# Allegro board SG2042_EVB_V2_0.brd (continued)
## Routing (per net, layer and track width the routed paths; a pad name or vN(x,y) marks a point on that pad's centre or on a via; arc(x,y) is an arc through that point) (continued)
DDR1_DQ7: length 65.1
  TOP w0.173: U1.D44 v1(131.75,246.05)
  ART03 w0.15: v1(131.75,246.05) U1.D44 132.25,244.84 132.54,244.55 135.94,244.55 136.25,244.86 136.25,247.81 136.75,248.31 136.75,251.89 159.14,274.28 160.21,274.28 160.36,274.43 160.36,275.19 160.51,275.34 160.94,275.34 161.09,275.19 161.09,274.43 161.24,274.28 161.67,274.28 161.82,274.43 161.82,275.19 161.97,275.34 162.39,275.34 162.54,275.19 162.54,274.43 162.69,274.28 163.12,274.28 163.27,274.43 163.27,275.19 163.42,275.34 163.85,275.34 164,275.19 164,274.43 164.15,274.28 164.58,274.28 164.73,274.43 164.73,275.19 164.88,275.34 165.3,275.34 165.45,275.19 165.45,274.43 165.6,274.28 166.03,274.28 166.18,274.43 166.18,274.91 166.29,275.03 167.16,275.03 arc(167.65,275.12) 168.06,275.4 168.12,275.46 arc(168.58,275.77) 169.12,275.87 J2.155
DDR1_DQ8: length 53.1
  TOP w0.173: U1.D52 v1(139.75,246.05)
  ART03 w0.15: v1(139.75,246.05) 138.98,246.82 138.98,252.77 159.54,273.33 160.91,273.33 161.06,273.18 161.06,272.54 161.2,272.39 161.63,272.39 161.78,272.54 161.78,273.18 161.93,273.33 162.36,273.33 162.51,273.18 162.51,272.54 162.66,272.39 163.09,272.39 163.24,272.54 163.24,273.18 163.39,273.33 163.82,273.33 163.97,273.18 163.97,272.54 164.12,272.39 164.54,272.39 164.69,272.54 164.69,273.18 164.84,273.33 165.27,273.33 165.42,273.18 165.42,272.54 165.57,272.39 166,272.39 166.15,272.54 166.15,273.18 166.3,273.33 167.12,273.33 arc(167.65,273.22) 168.09,272.92 168.58,272.44 arc(168.83,272.06) J2.16
DDR1_DQ9: length 50.9
  TOP w0.173: U1.B52 v1(139.75,248.05)
  ART03 w0.15: v1(139.75,248.05) 139.64,248.16 139.64,252.49 158.77,271.63 162.29,271.63 162.44,271.48 162.44,270.58 162.59,270.43 163.02,270.43 163.17,270.58 163.17,271.48 163.32,271.63 163.75,271.63 163.9,271.48 163.9,270.58 164.04,270.43 164.47,270.43 164.62,270.58 164.62,271.48 164.77,271.63 165.2,271.63 165.35,271.48 165.35,270.58 165.5,270.43 165.93,270.43 166.08,270.58 166.08,271.48 166.23,271.63 167.19,271.63 arc(167.65,271.53) 168.04,271.27 168.12,271.19 arc(168.58,270.88) 169.12,270.78 J2.161
DDR1_DQ10: length 55.1
  TOP w0.173: U1.A51 142.74,252.04 144.35,252.04 144.52,252.21 144.52,253.6 144.69,253.77 145.13,253.77 145.3,253.6 145.3,252.21 145.47,252.04 145.9,252.04 146.08,252.21 146.08,253.6 146.25,253.77 146.68,253.77 146.85,253.6 146.85,252.21 147.03,252.04 147.46,252.04 147.63,252.21 147.63,253.6 147.8,253.77 148.23,253.77 148.41,253.6 148.41,252.21 148.58,252.04 149.01,252.04 149.18,252.21 149.18,253.6 149.36,253.77 149.79,253.77 149.96,253.6 149.96,252.21 150.13,252.04 150.57,252.04 150.74,252.21 150.74,253.6 150.91,253.77 151.34,253.77 151.52,253.6 151.52,252.21 151.69,252.04 152.12,252.04 152.29,252.21 152.29,253.6 152.47,253.77 159.77,253.77 164.03,258.03 164.03,264.49 165.21,265.68 J2.23
DDR1_DQ11: length 55.7
  TOP w0.173: U1.A52 140.35,248.55 143.06,251.26 152.5,251.26 154.24,252.99 160.09,252.99 162.3,255.2 162.54,255.2 163.3,254.45 163.54,254.45 163.85,254.75 163.85,255 163.09,255.75 163.09,255.99 163.4,256.3 163.64,256.3 164.39,255.55 164.64,255.55 164.94,255.85 164.94,256.1 164.19,256.85 164.19,257.09 164.81,257.71 164.81,258.96 164.98,259.14 166.07,259.14 166.24,259.31 166.24,259.74 166.07,259.91 164.98,259.91 164.81,260.09 164.81,260.52 164.98,260.69 166.07,260.69 166.24,260.86 166.24,261.29 166.07,261.47 164.98,261.47 164.81,261.64 164.81,262.07 164.98,262.24 166.07,262.24 166.24,262.42 166.24,262.85 166.07,263.02 164.98,263.02 164.81,263.19 164.81,264.17 165.46,264.82 167.24,264.82 arc(167.65,264.91) 168.01,265.14 168.18,265.32 arc(168.58,265.58) 169.05,265.68 169.08,265.68 arc(169.55,265.58) 169.95,265.32 170.03,265.24 arc(170.48,264.93) 171.02,264.82 172.71,264.82 J2.168
DDR1_DQ12: length 63
  TOP w0.173: U1.B48 135.75,248.05 135.75,249.19 136.11,249.55 136.11,251.08 142.81,257.78 145.73,257.78 155.69,267.74 155.94,267.74 157.11,266.57 157.35,266.57 157.66,266.88 157.66,267.12 156.77,268.01 156.77,268.25 157.07,268.56 157.32,268.56 158.63,267.25 158.87,267.25 159.18,267.55 159.18,267.8 157.87,269.11 157.87,269.35 158.17,269.66 158.42,269.66 159.73,268.35 159.97,268.35 160.28,268.65 160.28,268.9 159.32,269.85 159.32,270.1 159.63,270.4 159.87,270.4 160.83,269.44 161.07,269.44 161.38,269.75 161.38,269.99 160.42,270.95 160.42,271.2 160.73,271.5 160.97,271.5 161.93,270.54 162.17,270.54 162.48,270.85 162.48,271.09 161.52,272.05 161.52,272.3 161.82,272.6 162.07,272.6 163.03,271.64 163.27,271.64 164.95,273.33 J2.14
DDR1_DQ13: length 63
  TOP w0.173: U1.B49 136.75,248.05 136.75,250.62 143.13,257 146.05,257 147.01,257.95 147.25,257.95 148.2,257 148.45,257 148.75,257.31 148.75,257.55 147.8,258.5 147.8,258.75 148.11,259.05 148.35,259.05 150.1,257.3 150.34,257.3 150.65,257.61 150.65,257.85 148.9,259.6 148.9,259.85 149.21,260.15 149.45,260.15 151.2,258.4 151.44,258.4 151.75,258.71 151.75,258.95 150,260.7 150,260.95 150.31,261.25 150.55,261.25 151.5,260.3 151.74,260.3 152.05,260.61 152.05,260.85 151.1,261.8 151.1,262.05 154.8,265.75 158.48,265.75 164.35,271.63 167.13,271.63 arc(167.65,271.73) 168.08,272.02 168.13,272.06 arc(168.58,272.37) 169.12,272.47 171.11,272.47 J2.159
DDR1_DQ14: length 59.2
  TOP w0.173: U1.C48 v1(136.75,247.05)
  ART03 w0.15: v1(136.75,247.05) 137.22,246.58 138.22,246.58 139.25,245.55 139.96,245.55 140.25,245.84 140.25,248.43 140.59,248.77 140.59,252.1 155.87,267.38 157.58,267.38 157.73,267.52 157.73,268.63 157.88,268.78 158.31,268.78 158.46,268.63 158.46,267.52 158.61,267.38 159.04,267.38 159.19,267.52 159.19,268.63 159.34,268.78 159.77,268.78 159.92,268.63 159.92,267.52 160.07,267.38 160.49,267.38 160.64,267.52 160.64,268.63 160.79,268.78 161.22,268.78 161.37,268.63 161.37,267.52 161.52,267.38 161.95,267.38 162.1,267.52 162.1,268.63 162.25,268.78 162.68,268.78 162.83,268.63 162.83,267.52 162.98,267.38 163.41,267.38 163.56,267.52 163.56,268.63 163.71,268.78 164.13,268.78 164.28,268.63 164.28,267.52 164.43,267.38 164.86,267.38 165.01,267.52 165.01,268.63 165.16,268.78 165.59,268.78 165.74,268.63 165.74,267.52 165.89,267.38 J2.21
DDR1_DQ15: length 59
  TOP w0.173: U1.D49 v1(136.75,246.05)
  ART03 w0.15: J2.166 171.02,266.52 arc(170.48,266.63) 170.02,266.94 169.95,267.01 arc(169.55,267.28) 169.08,267.37 169.05,267.37 arc(168.58,267.28) 168.18,267.01 168.09,266.93 arc(167.65,266.63) 167.12,266.52 165.87,266.52 165.72,266.38 165.72,265.55 165.57,265.4 165.15,265.4 165,265.55 165,266.38 164.85,266.52 164.42,266.52 164.27,266.38 164.27,265.55 164.12,265.4 163.69,265.4 163.54,265.55 163.54,266.38 163.39,266.52 162.96,266.52 162.81,266.38 162.81,265.55 162.66,265.4 162.24,265.4 162.09,265.55 162.09,266.38 161.94,266.52 161.51,266.52 161.36,266.38 161.36,265.55 161.21,265.4 160.78,265.4 160.63,265.55 160.63,266.38 160.48,266.52 155.95,266.52 141.25,251.82 141.25,244.83 140.97,244.55 137.46,244.55 137.25,244.76 U1.D49 v1(136.75,246.05)
DDR1_DQ16: length 53.5
  TOP w0.173: U1.E47 v1(134.75,245.05)
  ART12 w0.135: J2.27 165.48,262.28 162.09,258.88 162.09,258.69 162.96,257.82 162.96,257.63 162.67,257.33 162.48,257.33 161.6,258.21 161.41,258.21 161.12,257.91 161.12,257.72 161.99,256.85 161.99,256.66 161.7,256.36 161.51,256.36 160.63,257.24 160.44,257.24 160.14,256.94 160.14,256.75 161.02,255.88 161.02,255.69 160.73,255.39 160.54,255.39 159.66,256.27 159.47,256.27 159,255.79 137.59,255.79 134.25,252.46 134.25,245.55 v1(134.75,245.05)
DDR1_DQ17: length 55.1
  TOP w0.173: U1.F46 v1(133.75,244.05)
  ART12 w0.135: J2.172 171.03,261.43 arc(170.48,261.53) 170.02,261.84 169.95,261.91 arc(169.55,262.18) 169.08,262.28 169.05,262.28 arc(168.58,262.37) 168.18,262.64 168.06,262.76 arc(167.65,263.03) 167.17,263.12 165.44,263.12 163.12,260.81 162.93,260.81 162.48,261.27 162.29,261.27 161.99,260.98 161.99,260.79 162.45,260.33 162.45,260.14 158.73,256.42 137.33,256.42 133.25,252.35 133.25,244.55 v1(133.75,244.05)
DDR1_DQ18: length 56.8
  TOP w0.173: U1.H46 v1(133.75,242.05)
  ART10 w0.135: v1(133.75,242.05) 134.28,242.58 134.28,248.59 138.75,253.06 139.4,253.06 139.53,252.92 139.53,252.51 139.66,252.37 140.08,252.37 140.22,252.51 140.22,252.92 140.35,253.06 140.77,253.06 140.9,252.92 140.9,252.51 141.04,252.37 141.45,252.37 141.59,252.51 141.59,252.92 141.72,253.06 142.14,253.06 142.27,252.92 142.27,252.51 142.41,252.37 142.82,252.37 142.96,252.51 142.96,252.92 143.09,253.06 143.51,253.06 143.64,252.92 143.64,252.51 143.78,252.37 144.2,252.37 144.33,252.51 144.33,252.92 144.47,253.06 161.01,253.06 161.75,253.79 161.94,253.79 162.36,253.36 162.55,253.36 162.85,253.66 162.85,253.85 162.42,254.28 162.42,254.47 162.72,254.76 162.91,254.76 163.33,254.33 163.52,254.33 163.82,254.63 163.82,254.82 163.39,255.25 163.39,255.44 163.69,255.73 163.88,255.73 164.3,255.3 164.49,255.3 164.79,255.6 164.79,255.79 164.36,256.22 164.36,256.41 164.66,256.7 164.85,256.7 165.27,256.27 165.47,256.27 165.76,256.57 165.76,256.76 165.33,257.19 165.33,257.38 165.98,258.02 167.09,258.02 arc(167.64,257.92) 168.11,257.6 168.76,256.96 arc(168.87,256.78) 168.91,256.58 J2.34
DDR1_DQ19: length 56
  TOP w0.173: U1.G47 v1(134.75,243.05)
  ART10 w0.135: J2.179 169.13,255.47 arc(168.58,255.58) 168.12,255.89 168.1,255.91 arc(167.64,256.22) 167.1,256.32 166.41,256.32 161.83,251.74 158.61,251.74 158.47,251.88 158.47,252.21 158.34,252.35 157.92,252.35 157.79,252.21 157.79,251.88 157.65,251.74 157.23,251.74 157.1,251.88 157.1,252.21 156.97,252.35 156.55,252.35 156.41,252.21 156.41,251.88 156.28,251.74 155.86,251.74 155.73,251.88 155.73,252.21 155.59,252.35 155.18,252.35 155.04,252.21 155.04,251.88 154.91,251.74 154.49,251.74 154.36,251.88 154.36,252.21 154.22,252.35 153.81,252.35 153.67,252.21 153.67,251.88 153.54,251.74 153.12,251.74 152.99,251.88 152.99,252.21 152.85,252.35 152.43,252.35 152.3,252.21 152.3,251.88 152.17,251.74 151.75,251.74 151.61,251.88 151.61,252.21 151.48,252.35 151.06,252.35 150.93,252.21 150.93,251.88 150.79,251.74 150.38,251.74 150.24,251.88 150.24,252.21 150.11,252.35 149.69,252.35 149.56,252.21 149.56,251.88 149.42,251.74 149.01,251.74 148.87,251.88 148.87,252.21 148.74,252.35 148.32,252.35 148.18,252.21 148.18,251.88 148.05,251.74 147.63,251.74 147.5,251.88 147.5,252.21 147.36,252.35 146.95,252.35 146.81,252.21 146.81,251.88 146.68,251.74 146.26,251.74 146.13,251.88 146.13,252.21 145.99,252.35 145.58,252.35 145.44,252.21 145.44,251.88 145.31,251.74 139.3,251.74 138.27,250.72 138.08,250.72 137.78,251.01 137.59,251.01 137.3,250.72 137.3,250.53 137.59,250.23 137.59,250.04 137.3,249.75 137.11,249.75 136.81,250.04 136.62,250.04 135.27,248.69 135.27,243.57 v1(134.75,243.05)
DDR1_DQ20: length 60.9
  TOP w0.173: U1.E43 v1(130.75,245.05)
  ART10 w0.135: v1(130.75,245.05) 130.25,245.55 130.25,248.01 130.75,248.51 130.75,250.25 137.22,256.73 137.95,256.73 138.08,256.86 138.08,257.75 138.22,257.89 138.63,257.89 138.77,257.75 138.77,256.86 138.9,256.73 139.32,256.73 139.45,256.86 139.45,257.75 139.59,257.89 140,257.89 140.14,257.75 140.14,256.86 140.27,256.73 140.69,256.73 140.82,256.86 140.82,257.75 140.96,257.89 141.38,257.89 141.51,257.75 141.51,256.86 141.64,256.73 142.06,256.73 142.2,256.86 142.2,257.75 142.33,257.89 142.75,257.89 142.88,257.75 142.88,256.86 143.02,256.73 143.43,256.73 143.57,256.86 143.57,257.75 143.7,257.89 144.12,257.89 144.25,257.75 144.25,256.86 144.39,256.73 145.18,256.73 146.13,257.68 151.37,257.68 152.32,256.73 158.56,256.73 161.08,259.25 161.08,261.82 163.24,263.98 J2.25
DDR1_DQ21: length 61
  TOP w0.173: U1.E44 v1(131.75,245.05)
  ART10 w0.135: J2.170 171.03,263.13 arc(170.48,263.02) 170.02,262.71 169.95,262.64 arc(169.55,262.37) 169.08,262.28 169.05,262.28 arc(168.58,262.37) 168.18,262.64 168.03,262.78 arc(167.51,263.13) 166.89,263.26 163.63,263.26 161.71,261.34 161.71,259 158.82,256.1 151.37,256.1 151.24,256.23 151.24,256.91 151.11,257.05 150.69,257.05 150.55,256.91 150.55,256.23 150.42,256.1 150,256.1 149.87,256.23 149.87,256.91 149.73,257.05 149.32,257.05 149.18,256.91 149.18,256.23 149.05,256.1 148.63,256.1 148.5,256.23 148.5,256.91 148.36,257.05 147.95,257.05 147.81,256.91 147.81,256.23 147.68,256.1 147.26,256.1 147.13,256.23 147.13,256.91 146.99,257.05 146.57,257.05 146.44,256.91 146.44,256.23 146.31,256.1 137.49,256.1 131.76,250.37 131.76,248.58 131.25,248.07 131.25,245.55 v1(131.75,245.05)
DDR1_DQ22: length 61.5
  TOP w0.173: U1.F43 v1(130.75,244.05)
  ART12 w0.135: J2.32 166.41,258.03 161.77,253.39 151.81,253.39 151.67,253.53 151.67,254.25 151.54,254.38 151.12,254.38 150.99,254.25 150.99,253.53 150.85,253.39 150.44,253.39 150.3,253.53 150.3,254.25 150.17,254.38 149.75,254.38 149.62,254.25 149.62,253.53 149.48,253.39 149.07,253.39 148.93,253.53 148.93,254.25 148.8,254.38 148.38,254.38 148.24,254.25 148.24,253.53 148.11,253.39 147.69,253.39 147.56,253.53 147.56,254.25 147.42,254.38 147.01,254.38 146.87,254.25 146.87,253.53 146.74,253.39 146.32,253.39 146.19,253.53 146.19,254.25 146.05,254.38 145.64,254.38 145.5,254.25 145.5,253.53 145.37,253.39 144.95,253.39 144.82,253.53 144.82,254.25 144.68,254.38 144.26,254.38 144.13,254.25 144.13,253.53 144,253.39 143.58,253.39 143.44,253.53 143.44,254.25 143.31,254.38 142.89,254.38 142.76,254.25 142.76,253.53 142.62,253.39 142.21,253.39 142.07,253.53 142.07,254.25 141.94,254.38 141.52,254.38 141.39,254.25 141.39,253.53 141.25,253.39 139.57,253.39 135.25,249.08 135.25,243.84 134.96,243.55 U1.F43 v1(130.75,244.05)
DDR1_DQ23: length 63.4
  TOP w0.173: U1.H43 v1(130.75,242.05)
  ART12 w0.135: J2.177 169.13,257.18 arc(168.58,257.07) 168.12,256.76 168.02,256.66 arc(167.65,256.41) 167.22,256.32 166.38,256.32 162.82,252.76 150.35,252.76 150.21,252.63 150.21,251.85 150.08,251.71 149.66,251.71 149.53,251.85 149.53,252.63 149.39,252.76 148.98,252.76 148.84,252.63 148.84,251.85 148.71,251.71 148.29,251.71 148.16,251.85 148.16,252.63 148.02,252.76 147.6,252.76 147.47,252.63 147.47,251.85 147.33,251.71 146.92,251.71 146.78,251.85 146.78,252.63 146.65,252.76 146.23,252.76 146.1,252.63 146.1,251.85 145.96,251.71 145.55,251.71 145.41,251.85 145.41,252.63 145.28,252.76 144.86,252.76 144.73,252.63 144.73,251.85 144.59,251.71 144.17,251.71 144.04,251.85 144.04,252.63 143.91,252.76 143.49,252.76 143.35,252.63 143.35,251.85 143.22,251.71 142.8,251.71 142.67,251.85 142.67,252.63 142.53,252.76 142.12,252.76 141.98,252.63 141.98,251.85 141.85,251.71 141.43,251.71 141.3,251.85 141.3,252.63 141.16,252.76 139.83,252.76 136.75,249.68 136.75,248.26 136.25,247.76 136.25,242.83 135.97,242.55 131.25,242.55 v1(130.75,242.05)
DDR1_DQ24: length 44.3
  TOP w0.173: U1.F51 v1(139.75,244.05)
  ART12 w0.135: v1(139.75,244.05) 139.25,244.55 139.25,248.6 141.11,250.45 156.13,250.45 156.27,250.59 156.27,251.2 156.4,251.33 156.82,251.33 156.95,251.2 156.95,250.59 157.09,250.45 157.5,250.45 157.64,250.59 157.64,251.2 157.77,251.33 158.19,251.33 158.32,251.2 158.32,250.59 158.46,250.45 158.87,250.45 159.01,250.59 159.01,251.2 159.14,251.33 159.56,251.33 159.69,251.2 159.69,250.59 159.83,250.45 160.25,250.45 160.38,250.59 160.38,251.2 160.51,251.33 160.93,251.33 161.07,251.2 161.07,250.59 161.2,250.45 162.34,250.45 166.51,254.63 167.14,254.63 arc(167.65,254.53) 168.07,254.24 168.58,253.74 arc(168.83,253.36) J2.38
DDR1_DQ25: length 42.4
  TOP w0.173: U1.E52 v1(140.75,245.05)
  ART12 w0.135: v1(140.75,245.05) 140.25,245.55 140.25,248.45 141.62,249.82 156.62,249.82 156.76,249.69 156.76,249.16 156.89,249.02 157.31,249.02 157.44,249.16 157.44,249.69 157.58,249.82 157.99,249.82 158.13,249.69 158.13,249.16 158.26,249.02 158.68,249.02 158.81,249.16 158.81,249.69 158.95,249.82 159.37,249.82 159.5,249.69 159.5,249.16 159.64,249.02 160.05,249.02 160.19,249.16 160.19,249.69 160.32,249.82 160.74,249.82 160.87,249.69 160.87,249.16 161.01,249.02 161.42,249.02 161.56,249.16 161.56,249.69 161.69,249.82 162.6,249.82 165.7,252.93 167.12,252.93 arc(167.65,252.82) 168.09,252.52 168.12,252.49 arc(168.58,252.18) 169.13,252.08 J2.183
DDR1_DQ26: length 46
  TOP w0.173: U1.H51 v1(139.75,242.05)
  ART10 w0.135: v1(139.75,242.05) 140.25,242.55 140.25,245.28 140.52,245.55 146.25,245.55 146.38,245.42 146.38,244.36 146.52,244.22 146.93,244.22 147.07,244.36 147.07,245.42 147.2,245.55 147.62,245.55 147.75,245.42 147.75,244.36 147.89,244.22 148.3,244.22 148.44,244.36 148.44,245.42 148.57,245.55 148.99,245.55 149.12,245.42 149.12,244.36 149.26,244.22 149.67,244.22 149.81,244.36 149.81,245.42 149.94,245.55 150.36,245.55 150.5,245.42 150.5,244.36 150.63,244.22 151.05,244.22 151.18,244.36 151.18,245.42 151.32,245.55 151.73,245.55 151.87,245.42 151.87,244.36 152,244.22 152.42,244.22 152.55,244.36 152.55,245.42 152.69,245.55 153.1,245.55 153.24,245.42 153.24,244.36 153.37,244.22 153.79,244.22 153.92,244.36 153.92,245.42 154.06,245.55 163.72,245.55 165.14,246.98 J2.45
DDR1_DQ27: length 44.4
  TOP w0.173: U1.G52 v1(140.75,243.05)
  ART10 w0.135: J2.190 171.03,246.12 arc(170.48,246.23) 170.02,246.54 169.95,246.61 arc(169.55,246.88) 169.08,246.97 169.05,246.97 arc(168.58,246.88) 168.18,246.61 168.1,246.54 arc(167.64,246.23) 167.1,246.12 165.18,246.12 163.98,244.92 160.43,244.92 160.3,244.79 160.3,244.36 160.16,244.22 159.75,244.22 159.61,244.36 159.61,244.79 159.48,244.92 159.06,244.92 158.92,244.79 158.92,243.73 158.79,243.59 158.37,243.59 158.24,243.73 158.24,244.79 158.1,244.92 157.69,244.92 157.55,244.79 157.55,243.73 157.42,243.59 157,243.59 156.87,243.73 156.87,244.79 156.73,244.92 156.32,244.92 156.18,244.79 156.18,243.73 156.05,243.59 155.63,243.59 155.5,243.73 155.5,244.79 155.36,244.92 154.94,244.92 154.81,244.79 154.81,243.73 154.68,243.59 145.76,243.59 144.8,244.55 141.53,244.55 141.25,244.27 141.25,243.55 v1(140.75,243.05)
DDR1_DQ28: length 51.5
  TOP w0.173: U1.F48 v1(136.75,244.05)
  ART10 w0.135: v1(136.75,244.05) 136.25,244.55 136.25,247.33 139.72,250.8 154.59,250.8 154.72,250.66 154.72,249.61 154.85,249.48 155.27,249.48 155.41,249.61 155.41,250.66 155.54,250.8 155.96,250.8 156.09,250.66 156.09,249.61 156.23,249.48 156.64,249.48 156.78,249.61 156.78,250.66 156.91,250.8 157.33,250.8 157.46,250.66 157.46,249.61 157.6,249.48 158.01,249.48 158.15,249.61 158.15,250.66 158.28,250.8 158.7,250.8 158.83,250.66 158.83,249.61 158.97,249.48 159.39,249.48 159.52,249.61 159.52,250.66 159.66,250.8 160.07,250.8 160.21,250.66 160.21,249.61 160.34,249.48 160.76,249.48 160.89,249.61 160.89,250.66 161.03,250.8 162.22,250.8 166.05,254.63 J2.36
DDR1_DQ29: length 53
  TOP w0.173: U1.H48 v1(136.75,242.05)
  ART10 w0.135: J2.181 169.13,253.78 arc(168.58,253.67) 168.12,253.36 168.09,253.33 arc(167.65,253.03) 167.12,252.93 165.24,252.93 162.52,250.21 162.52,250.02 163.08,249.46 163.08,249.27 162.79,248.97 162.6,248.97 162.04,249.53 161.84,249.53 160.97,248.66 154.79,248.66 153.27,250.17 146.62,250.17 146.49,250.04 146.49,249.33 146.35,249.2 145.93,249.2 145.8,249.33 145.8,250.04 145.67,250.17 145.25,250.17 145.11,250.04 145.11,249.33 144.98,249.2 144.56,249.2 144.43,249.33 144.43,250.04 144.29,250.17 143.24,250.17 143.11,250.04 143.11,248.83 142.97,248.69 142.56,248.69 142.42,248.83 142.42,250.04 142.29,250.17 139.98,250.17 139.6,249.79 139.6,249.6 140,249.21 140,249.02 139.7,248.72 139.51,248.72 139.12,249.12 138.93,249.12 137.25,247.44 137.25,242.55 v1(136.75,242.05)
DDR1_DQ30: length 49.7
  TOP w0.173: U1.E49 v1(137.75,245.05)
  ART12 w0.135: v1(137.75,245.05) 138.25,244.55 138.25,243.84 138.54,243.55 139.97,243.55 140.25,243.83 140.25,244.29 140.51,244.55 140.97,244.55 141.25,244.83 141.25,245.27 141.65,245.67 146.51,245.67 146.64,245.8 146.64,246.78 146.78,246.91 147.19,246.91 147.33,246.78 147.33,245.8 147.46,245.67 147.88,245.67 148.01,245.8 148.01,246.78 148.15,246.91 148.56,246.91 148.7,246.78 148.7,245.8 148.83,245.67 149.25,245.67 149.38,245.8 149.38,246.78 149.52,246.91 149.93,246.91 150.07,246.78 150.07,245.8 150.2,245.67 150.62,245.67 150.76,245.8 150.76,246.78 150.89,246.91 151.31,246.91 151.44,246.78 151.44,245.8 151.58,245.67 151.99,245.67 152.13,245.8 152.13,246.78 152.26,246.91 152.68,246.91 152.81,246.78 152.81,245.8 152.95,245.67 153.36,245.67 153.5,245.8 153.5,246.78 153.63,246.91 154.05,246.91 154.18,246.78 154.18,245.8 154.32,245.67 154.74,245.67 154.87,245.8 154.87,246.78 155,246.91 155.42,246.91 155.56,246.78 155.56,245.8 155.69,245.67 156.11,245.67 156.24,245.8 156.24,246.78 156.38,246.91 164.59,246.91 166.35,248.68 J2.43
DDR1_DQ31: length 50.7
  TOP w0.173: U1.E48 v1(136.75,245.05)
  ART12 w0.135: J2.188 171.03,247.83 arc(170.48,247.93) 170.02,248.24 169.95,248.31 arc(169.55,248.58) 169.08,248.67 169.05,248.67 arc(168.58,248.58) 168.18,248.31 168.1,248.24 arc(167.64,247.93) 167.1,247.83 166.42,247.83 162.89,244.3 162.09,244.3 161.96,244.43 161.96,245.46 161.82,245.59 161.41,245.59 161.27,245.46 161.27,244.43 161.14,244.3 160.72,244.3 160.59,244.43 160.59,245.46 160.45,245.59 160.03,245.59 159.9,245.46 159.9,244.43 159.77,244.3 159.35,244.3 159.21,244.43 159.21,245.46 159.08,245.59 158.66,245.59 158.53,245.46 158.53,244.43 158.39,244.3 157.98,244.3 157.84,244.43 157.84,245.46 157.71,245.59 157.29,245.59 157.16,245.46 157.16,244.43 157.02,244.3 143,244.3 142.25,243.55 141.52,243.55 141.25,243.28 141.25,242.83 140.97,242.55 137.53,242.55 137.25,242.83 137.25,244.55 v1(136.75,245.05)
DDR1_DQ32: length 61.2
  TOP w0.173: U1.U56 145.33,233.63 149.73,233.63 157.4,225.96 157.4,211.17 158.61,209.96 158.61,209.71 157.9,209 157.9,208.76 158.21,208.45 158.45,208.45 159.16,209.16 159.41,209.16 159.71,208.86 159.71,208.61 159,207.9 159,207.66 159.31,207.35 159.55,207.35 160.26,208.06 160.51,208.06 160.81,207.76 160.81,207.51 160.1,206.8 160.1,206.56 160.41,206.25 160.65,206.25 161.36,206.96 161.61,206.96 161.91,206.66 161.91,206.41 161.2,205.7 161.2,205.46 161.51,205.15 161.75,205.15 162.46,205.86 162.71,205.86 163.01,205.56 163.01,205.32 162.3,204.6 162.3,204.36 162.61,204.05 162.85,204.05 163.56,204.77 163.81,204.77 164.11,204.46 164.11,204.22 163.4,203.5 163.4,203.26 164.56,202.1 164.56,200.43 J2.97
DDR1_DQ33: length 61.2
  TOP w0.173: U1.T56 145.11,234.41 150.05,234.41 158.18,226.28 158.18,211.49 159.32,210.35 159.56,210.35 159.89,210.68 160.13,210.68 160.44,210.37 160.44,210.13 160.11,209.8 160.11,209.56 160.42,209.25 160.66,209.25 160.99,209.58 161.23,209.58 161.54,209.28 161.54,209.03 161.21,208.7 161.21,208.46 161.52,208.15 161.76,208.15 162.09,208.48 162.33,208.48 162.64,208.18 162.64,207.93 162.31,207.6 162.31,207.36 162.62,207.05 162.86,207.05 163.19,207.38 163.43,207.38 163.74,207.08 163.74,206.83 163.41,206.51 163.41,206.26 163.72,205.96 163.96,205.96 164.29,206.28 164.53,206.28 164.84,205.98 164.84,205.73 164.51,205.41 164.51,205.16 165.33,204.34 165.33,200.75 165.86,200.22 167.21,200.22 arc(167.65,200.14) 168.03,199.89 168.18,199.73 arc(168.58,199.47) 169.05,199.38 169.08,199.38 arc(169.55,199.28) 169.95,199.02 170.08,198.88 arc(170.48,198.62) 170.95,198.52 170.98,198.52 arc(171.45,198.43) 171.85,198.17 172.56,197.46 arc(172.67,197.28) 172.71,197.08 J2.242
DDR1_DQ34: length 61.3
  TOP w0.173: U1.T55 v1(143.75,234.05)
  ART03 w0.15: v1(143.75,234.05) 141.25,231.55 141.25,229.84 141.54,229.55 143.94,229.55 144.4,229.08 145.13,229.08 145.26,229.21 150.34,229.21 154.11,225.44 154.11,205.7 166.39,193.43 167.26,193.43 arc(167.66,193.35) 167.99,193.12 168.58,192.54 arc(168.83,192.16) J2.104
DDR1_DQ35: length 65.4
  TOP w0.173: U1.T53 v1(141.75,234.05)
  ART03 w0.15: J2.249 169.12,190.88 arc(168.58,190.98) 168.12,191.29 168.04,191.38 arc(167.65,191.63) 167.2,191.73 166.41,191.73 153.45,204.69 153.45,225.17 150.07,228.55 140.54,228.55 140.25,228.84 140.25,233.27 140.53,233.55 U1.T53 v1(141.75,234.05)
DDR1_DQ36: length 64.4
  TOP w0.173: U1.W53 v1(141.75,230.05)
  ART03 w0.15: J2.95 165.36,201.33 165.36,201.54 166.07,202.25 166.07,202.46 165.77,202.76 165.56,202.76 164.85,202.05 164.64,202.05 164.33,202.36 164.33,202.57 165.04,203.28 165.04,203.49 164.74,203.79 164.53,203.79 163.82,203.08 163.61,203.08 163.3,203.39 163.3,203.6 164.01,204.31 164.01,204.52 163.71,204.82 163.5,204.82 162.79,204.11 162.58,204.11 162.27,204.41 162.27,204.63 162.98,205.33 162.98,205.55 162.68,205.85 162.47,205.85 161.76,205.14 161.55,205.14 161.25,205.44 161.25,205.66 161.95,206.36 161.95,206.58 161.65,206.88 161.44,206.88 160.73,206.17 160.52,206.17 160.22,206.47 160.22,206.68 160.92,207.39 160.92,207.6 160.62,207.91 160.41,207.91 159.7,207.2 159.49,207.2 159.19,207.5 159.19,207.71 159.9,208.42 159.9,208.63 159.59,208.94 159.38,208.94 158.67,208.23 158.46,208.23 157.76,208.93 157.76,224.08 151.01,230.82 145.68,230.82 145.44,231.06 144.36,231.06 143.85,230.55 142.25,230.55 v1(141.75,230.05)
DDR1_DQ37: length 64.5
  TOP w0.173: U1.Y54 v1(142.75,230.05)
  ART03 w0.15: v1(142.75,230.05) 145.52,230.05 145.63,230.16 150.74,230.16 157.1,223.8 157.1,207.82 160.97,203.95 160.97,203.74 160.3,203.06 160.3,202.85 160.6,202.54 160.81,202.54 161.49,203.22 161.7,203.22 162,202.92 162,202.71 161.33,202.03 161.33,201.82 161.63,201.51 161.84,201.51 162.52,202.19 162.73,202.19 163.03,201.89 163.03,201.68 162.36,201 162.36,200.79 162.66,200.49 162.87,200.49 163.55,201.16 163.76,201.16 164.06,200.86 164.06,200.65 163.38,199.97 163.38,199.76 163.69,199.46 163.9,199.46 164.58,200.13 164.79,200.13 165.09,199.83 165.09,199.62 164.41,198.94 164.41,198.73 164.72,198.43 164.93,198.43 165.61,199.1 165.82,199.1 166.4,198.52 167.18,198.52 arc(167.65,198.62) 168.05,198.88 168.18,199.01 arc(168.58,199.28) 169.05,199.38 169.08,199.38 arc(169.55,199.28) 169.95,199.01 170.02,198.94 arc(170.48,198.63) 171.02,198.53 J2.240
DDR1_DQ38: length 69.7
  TOP w0.173: U1.W55 143.73,230.07 148.26,230.07 153.84,224.48 153.84,206.11 155.04,204.91 155.04,204.67 154.09,203.71 154.09,203.47 154.39,203.16 154.64,203.16 155.59,204.12 155.83,204.12 156.14,203.81 156.14,203.57 155.19,202.61 155.19,202.37 155.49,202.06 155.73,202.06 156.69,203.02 156.93,203.02 157.24,202.71 157.24,202.47 156.28,201.52 156.28,201.27 156.59,200.97 156.83,200.97 157.79,201.92 158.03,201.92 158.34,201.61 158.34,201.37 157.38,200.42 157.38,200.17 157.69,199.87 157.93,199.87 158.89,200.82 159.13,200.82 159.44,200.51 159.44,200.27 158.48,199.32 158.48,199.07 158.79,198.77 159.03,198.77 159.99,199.72 160.23,199.72 160.54,199.41 160.54,199.17 159.58,198.22 159.58,197.97 159.89,197.67 160.13,197.67 161.09,198.62 161.33,198.62 166.53,193.43 J2.102
DDR1_DQ39: length 69.9
  TOP w0.173: J2.247 171.11,192.57 169.12,192.57 arc(168.58,192.47) 168.13,192.16 168.08,192.12 arc(167.65,191.83) 167.14,191.73 166.39,191.73 165.57,192.54 165.33,192.54 164.67,191.89 164.43,191.89 164.12,192.19 164.12,192.44 165.15,193.46 165.15,193.71 164.84,194.01 164.6,194.01 163.57,192.99 163.33,192.99 163.02,193.29 163.02,193.53 164.05,194.56 164.05,194.8 163.74,195.11 163.5,195.11 162.47,194.08 162.23,194.08 161.92,194.39 161.92,194.63 162.95,195.66 162.95,195.9 162.64,196.21 162.4,196.21 161.37,195.18 161.13,195.18 160.82,195.49 160.82,195.73 161.85,196.76 161.85,197 161.54,197.31 161.3,197.31 160.27,196.28 160.03,196.28 153.06,203.25 153.06,204.27 153.44,204.65 153.44,204.94 153.06,205.32 153.06,224.16 147.93,229.29 145.95,229.29 145.66,229 143.8,229 U1.Y55
DDR1_DQ40: length 68.4
  TOP w0.173: U1.AA56 145.83,228.55 146.12,228.25 147.51,228.25 152.03,223.73 152.03,201.36 152.71,200.68 152.95,200.68 153.39,201.12 153.64,201.12 153.94,200.82 153.94,200.57 153.5,200.13 153.5,199.89 153.81,199.58 154.05,199.58 154.49,200.02 154.74,200.02 155.04,199.72 155.04,199.47 154.6,199.03 154.6,198.79 154.91,198.48 155.15,198.48 155.59,198.92 155.84,198.92 156.14,198.62 156.14,198.38 155.7,197.93 155.7,197.69 156.01,197.38 156.25,197.38 156.69,197.83 156.94,197.83 157.24,197.52 157.24,197.28 156.8,196.83 156.8,196.59 157.11,196.29 157.35,196.29 157.79,196.73 158.04,196.73 158.34,196.42 158.34,196.18 157.9,195.74 157.9,195.49 158.2,195.19 158.45,195.19 158.89,195.63 159.13,195.63 159.44,195.32 159.44,195.08 159,194.64 159,194.39 159.3,194.09 159.55,194.09 159.99,194.53 160.23,194.53 160.54,194.22 160.54,193.98 160.1,193.54 160.1,193.29 160.4,192.99 160.65,192.99 161.09,193.43 161.33,193.43 161.64,193.12 161.64,192.88 161.2,192.44 161.2,192.19 161.5,191.89 161.75,191.89 162.19,192.33 162.43,192.33 162.74,192.02 162.74,191.78 162.3,191.34 162.3,191.09 163.37,190.03 167.03,190.03 arc(167.64,189.9) 168.16,189.56 168.58,189.14 arc(168.83,188.76) J2.108
DDR1_DQ41: length 69.9
  TOP w0.173: U1.AA55 143.74,228.06 145.55,228.06 146.13,227.48 147.18,227.48 151.25,223.41 151.25,201.04 151.97,200.32 151.97,200.08 151.36,199.47 151.36,199.23 151.66,198.92 151.91,198.92 152.52,199.53 152.76,199.53 153.07,199.22 153.07,198.98 152.46,198.37 152.46,198.13 152.76,197.82 153.01,197.82 153.62,198.43 153.86,198.43 154.17,198.13 154.17,197.88 153.56,197.27 153.56,197.03 153.86,196.72 154.11,196.72 154.72,197.33 154.96,197.33 155.27,197.03 155.27,196.78 154.66,196.17 154.66,195.93 154.96,195.62 155.21,195.62 155.81,196.23 156.06,196.23 156.36,195.93 156.36,195.68 155.76,195.07 155.76,194.83 156.06,194.52 156.3,194.52 156.91,195.13 157.16,195.13 157.46,194.83 157.46,194.58 156.85,193.97 156.85,193.73 157.16,193.42 157.4,193.42 158.01,194.03 158.26,194.03 163.97,188.32 167.16,188.32 arc(167.65,188.23) 168.06,187.95 168.13,187.89 arc(168.58,187.58) 169.12,187.48 J2.253
DDR1_DQ42: length 65.5
  TOP w0.173: U1.AD53 v1(141.75,225.05)
  ART03 w0.15: J2.115 163.88,182.38 163.2,183.06 163.2,183.27 163.68,183.76 163.68,183.97 163.38,184.27 163.16,184.27 162.68,183.79 162.47,183.79 162.17,184.09 162.17,184.3 162.65,184.79 162.65,185 162.35,185.3 162.14,185.3 161.65,184.82 161.44,184.82 161.14,185.12 161.14,185.33 161.62,185.82 161.62,186.03 161.32,186.33 161.11,186.33 160.62,185.85 160.41,185.85 160.11,186.15 160.11,186.36 160.59,186.85 160.59,187.06 160.29,187.36 160.08,187.36 159.59,186.88 159.38,186.88 159.08,187.18 159.08,187.39 159.56,187.88 159.56,188.09 159.26,188.39 159.05,188.39 158.56,187.91 158.35,187.91 148.03,198.23 148.03,220.5 144.98,223.55 142.54,223.55 142.25,223.84 142.25,224.55 v1(141.75,225.05)
DDR1_DQ43: length 68.2
  TOP w0.173: U1.AA53 v1(141.75,228.05)
  ART03 w0.15: v1(141.75,228.05) 141.25,227.55 141.25,222.83 141.53,222.55 145.04,222.55 147.37,220.22 147.37,197.96 163.8,181.52 167.21,181.52 arc(167.65,181.61) 168.03,181.86 168.18,182.01 arc(168.58,182.28) 169.05,182.38 169.08,182.38 arc(169.55,182.28) 169.95,182.01 170.02,181.94 arc(170.48,181.63) 171.02,181.53 J2.260
DDR1_DQ44: length 66.4
  TOP w0.173: U1.AB56 v1(144.68,227.55)
  ART03 w0.15: v1(144.68,227.55) 151.57,220.66 151.57,201.24 157.45,195.35 157.66,195.35 158.47,196.16 158.68,196.16 158.98,195.85 158.98,195.64 158.18,194.84 158.18,194.63 158.48,194.32 158.69,194.32 159.5,195.13 159.71,195.13 160.01,194.83 160.01,194.61 159.21,193.81 159.21,193.6 159.51,193.3 159.72,193.3 160.53,194.1 160.74,194.1 161.04,193.8 161.04,193.58 160.24,192.78 160.24,192.57 160.54,192.27 160.75,192.27 161.56,193.07 161.77,193.07 162.07,192.77 162.07,192.56 161.27,191.75 161.27,191.54 161.57,191.24 161.78,191.24 162.58,192.04 162.8,192.04 163.1,191.74 163.1,191.53 162.3,190.72 162.3,190.51 162.78,190.03 163.79,190.03 163.94,190.17 163.94,190.6 164.09,190.75 164.52,190.75 164.67,190.6 164.67,190.17 164.82,190.03 165.25,190.03 165.4,190.17 165.4,190.6 165.55,190.75 165.98,190.75 166.13,190.6 166.13,190.17 166.28,190.03 J2.106
DDR1_DQ45: length 69.6
  TOP w0.173: U1.AE54 v1(142.75,224.05)
  ART03 w0.15: J2.251 169.12,189.18 arc(168.58,189.07) 168.12,188.76 168.1,188.74 arc(167.64,188.43) 167.11,188.32 165.58,188.32 165.43,188.47 165.43,189.21 165.28,189.36 164.85,189.36 164.7,189.21 164.7,188.47 164.55,188.32 163.55,188.32 162.92,188.96 162.71,188.96 161.97,188.22 161.76,188.22 161.46,188.53 161.46,188.74 162.19,189.47 162.19,189.68 161.89,189.98 161.68,189.98 160.94,189.25 160.73,189.25 160.43,189.56 160.43,189.77 161.16,190.5 161.16,190.71 160.86,191.01 160.65,191.01 159.92,190.28 159.7,190.28 159.4,190.59 159.4,190.8 160.13,191.53 160.13,191.74 159.83,192.04 159.62,192.04 158.89,191.31 158.67,191.31 158.37,191.61 158.37,191.83 159.1,192.56 159.1,192.77 158.8,193.07 158.59,193.07 157.86,192.34 157.65,192.34 157.34,192.64 157.34,192.86 158.07,193.59 158.07,193.8 150.91,200.96 150.91,220.38 146.24,225.05 143.75,225.05 v1(142.75,224.05)
DDR1_DQ46: length 75.3
  TOP w0.173: U1.AD55 143.74,225.06 144.89,225.06 145.95,224 145.95,223.68 147.69,221.93 147.69,197.86 148.7,196.85 148.7,196.61 147.93,195.85 147.93,195.6 148.24,195.3 148.48,195.3 149.24,196.06 149.49,196.06 149.79,195.75 149.79,195.51 149.03,194.75 149.03,194.5 149.34,194.2 149.58,194.2 150.34,194.96 150.59,194.96 150.89,194.65 150.89,194.41 150.13,193.65 150.13,193.4 150.44,193.1 150.68,193.1 151.44,193.86 151.69,193.86 151.99,193.55 151.99,193.31 151.23,192.55 151.23,192.3 151.54,192 151.78,192 152.54,192.76 152.79,192.76 153.09,192.45 153.09,192.21 152.33,191.45 152.33,191.2 152.64,190.9 152.88,190.9 153.64,191.66 153.89,191.66 154.19,191.35 154.19,191.11 153.43,190.35 153.43,190.1 153.74,189.8 153.98,189.8 154.74,190.56 154.99,190.56 155.29,190.26 155.29,190.01 154.53,189.25 154.53,189.01 154.83,188.7 155.08,188.7 155.84,189.46 156.09,189.46 156.39,189.16 156.39,188.91 155.63,188.15 155.63,187.91 155.93,187.6 156.18,187.6 156.94,188.36 157.18,188.36 161.78,183.76 167,183.76 J2.113
DDR1_DQ47: length 75.4
  TOP w0.173: U1.AE55 143.78,224.02 144.89,224.02 145.31,223.6 145.31,223.21 146.91,221.61 146.91,195.52 150.47,191.97 150.47,191.72 149.68,190.93 149.68,190.68 149.98,190.38 150.23,190.38 151.02,191.17 151.26,191.17 151.57,190.87 151.57,190.62 150.78,189.83 150.78,189.58 151.08,189.28 151.33,189.28 152.12,190.07 152.36,190.07 152.67,189.77 152.67,189.52 151.88,188.73 151.88,188.48 152.18,188.18 152.43,188.18 153.22,188.97 153.46,188.97 153.77,188.67 153.77,188.42 152.98,187.63 152.98,187.39 153.28,187.08 153.52,187.08 154.32,187.87 154.56,187.87 154.87,187.57 154.87,187.32 154.07,186.53 154.07,186.29 154.38,185.98 154.62,185.98 155.42,186.77 155.66,186.77 156.27,186.17 158.28,186.17 161.46,182.99 166.82,182.99 arc(166.83,182.99) 166.84,182.99 166.96,183.12 arc(167.08,183.2) 167.22,183.22 167.4,183.22 arc(167.67,183.28) 167.9,183.43 168.18,183.72 arc(168.58,183.98) 169.05,184.08 169.08,184.08 arc(169.55,183.98) 169.95,183.72 170.03,183.64 arc(170.48,183.33) 171.02,183.22 172.71,183.22 J2.258
DDR1_DQ48: length 85.3
  TOP w0.173: U1.T51 v1(139.75,234.05)
  ART10 w0.135: J2.119 165.08,181.21 165.08,187.32 160.87,191.53 160.87,191.72 161.66,192.51 161.66,192.7 161.36,192.99 161.17,192.99 160.39,192.2 160.2,192.2 159.9,192.5 159.9,192.69 160.69,193.48 160.69,193.67 160.39,193.96 160.2,193.96 159.42,193.17 159.23,193.17 158.93,193.47 158.93,193.66 159.72,194.45 159.72,194.64 159.42,194.93 159.23,194.93 158.45,194.14 158.26,194.14 157.96,194.44 157.96,194.63 158.75,195.42 158.75,195.61 158.45,195.9 158.26,195.9 157.48,195.11 157.28,195.11 156.99,195.41 156.99,195.6 157.78,196.39 157.78,196.58 157.48,196.87 157.29,196.87 156.51,196.08 156.31,196.08 156.02,196.38 156.02,196.57 156.81,197.36 156.81,197.55 155.86,198.49 155.86,226.15 148.95,233.06 144.41,233.06 143.97,232.61 143.54,232.61 143.01,233.15 141.48,233.15 141.06,233.57 140.23,233.57 v1(139.75,234.05)
DDR1_DQ49: length 84.4
  TOP w0.173: U1.T52 v1(140.75,234.05)
  ART10 w0.135: v1(140.75,234.05) 141.14,234.05 141.64,233.55 144.06,233.55 144.21,233.69 149.21,233.69 156.49,226.41 156.49,198.75 162.69,192.56 162.69,192.37 161.9,191.58 161.9,191.39 162.2,191.09 162.39,191.09 163.17,191.88 163.36,191.88 163.66,191.59 163.66,191.4 162.87,190.61 162.87,190.42 163.17,190.12 163.36,190.12 164.14,190.91 164.33,190.91 164.63,190.62 164.63,190.43 163.84,189.64 163.84,189.45 164.14,189.15 164.33,189.15 165.11,189.94 165.3,189.94 165.6,189.65 165.6,189.46 164.81,188.67 164.81,188.48 165.71,187.58 165.71,182.27 166.46,181.52 167.17,181.52 arc(167.65,181.43) 168.06,181.16 168.18,181.04 arc(168.58,180.77) 169.05,180.68 169.08,180.68 arc(169.55,180.58) 169.95,180.31 170.02,180.24 arc(170.48,179.93) 171.03,179.83 171.04,179.83 arc(171.45,179.74) 171.81,179.51 172.38,178.94 arc(172.63,178.56) J2.264
DDR1_DQ50: length 86.3
  TOP w0.173: U1.T49 v1(137.75,234.05)
  ART12 w0.135: v1(137.75,234.05) 138.25,233.55 138.96,233.55 139.25,233.26 139.25,230.83 139.53,230.55 143.46,230.55 143.96,230.05 144.9,230.05 150.28,224.67 150.28,179.19 154.75,174.73 165.29,174.73 165.43,174.59 165.43,174.25 165.56,174.12 165.98,174.12 166.11,174.25 166.11,174.59 166.25,174.73 167.02,174.73 arc(167.64,174.6) 168.16,174.25 168.58,173.84 arc(168.83,173.46) J2.126
DDR1_DQ51: length 87.3
  TOP w0.173: U1.W49 v1(137.75,231.05)
  ART12 w0.135: v1(137.75,231.05) 138.25,230.55 138.25,229.82 138.52,229.55 143.8,229.55 149.65,223.7 149.65,178.93 155.56,173.03 162.56,173.03 162.7,173.16 162.7,173.63 162.83,173.76 163.25,173.76 163.38,173.63 163.38,173.16 163.52,173.03 163.93,173.03 164.07,173.16 164.07,173.63 164.2,173.76 164.62,173.76 164.75,173.63 164.75,173.16 164.89,173.03 167.1,173.03 arc(167.64,172.92) 168.1,172.61 168.12,172.59 arc(168.58,172.28) 169.13,172.18 J2.271
DDR1_DQ52: length 88.7
  TOP w0.173: U1.U52 v1(140.75,233.05)
  ART12 w0.135: v1(140.75,233.05) 141.25,232.55 144.63,232.55 146.25,230.93 151.86,225.32 151.86,179.85 155,176.71 160.38,176.71 160.51,176.84 160.51,177.84 160.65,177.98 161.06,177.98 161.2,177.84 161.2,176.84 161.33,176.71 162.4,176.71 163.11,177.41 163.11,177.6 162.3,178.41 162.3,178.6 162.59,178.9 162.78,178.9 163.59,178.09 163.79,178.09 164.08,178.38 164.08,178.57 163.27,179.38 163.27,179.57 163.56,179.87 163.75,179.87 164.57,179.06 164.76,179.06 165.05,179.35 165.05,179.54 164.24,180.35 164.24,180.55 164.53,180.84 164.72,180.84 165.54,180.03 165.73,180.03 166.37,180.68 J2.117
DDR1_DQ53: length 91.1
  TOP w0.173: U1.W51 v1(139.75,231.05)
  ART12 w0.135: J2.262 171.03,179.83 arc(170.48,179.72) 170.02,179.41 169.95,179.34 arc(169.55,179.07) 169.08,178.98 169.05,178.98 arc(168.58,179.07) 168.18,179.34 168.06,179.46 arc(167.65,179.73) 167.17,179.82 166.41,179.82 165.81,179.22 165.81,179.03 166.38,178.46 166.38,178.27 166.08,177.97 165.89,177.97 165.32,178.54 165.13,178.54 164.84,178.25 164.84,178.06 165.41,177.49 165.41,177.3 165.11,177 164.92,177 164.35,177.57 164.16,177.57 163.87,177.28 163.87,177.09 164.44,176.52 164.44,176.33 164.14,176.03 163.95,176.03 163.38,176.6 163.19,176.6 162.66,176.07 154.74,176.07 151.23,179.58 151.23,225.06 146.25,230.04 144.74,231.55 140.25,231.55 v1(139.75,231.05)
DDR1_DQ54: length 90.7
  TOP w0.173: U1.Y52 v1(140.75,230.05)
  ART10 w0.135: J2.124 166.4,174.73 161.72,179.4 161.72,184.1 158.4,187.42 158.21,187.42 157.07,186.28 156.88,186.28 156.58,186.57 156.58,186.76 157.73,187.91 157.73,188.1 157.43,188.39 157.24,188.39 156.1,187.25 155.9,187.25 155.61,187.54 155.61,187.73 156.76,188.88 156.76,189.07 156.46,189.37 156.27,189.37 155.13,188.22 154.93,188.22 154.64,188.51 154.64,188.7 155.79,189.85 155.79,190.04 155.49,190.34 155.3,190.34 154.15,189.19 153.96,189.19 153.67,189.48 153.67,189.67 154.82,190.82 154.82,191.01 154.52,191.31 154.33,191.31 153.18,190.16 152.99,190.16 152.7,190.45 152.7,190.65 153.85,191.79 153.85,191.98 152.51,193.32 152.51,224.76 147.56,229.71 145.25,229.71 144.9,230.05 143.46,230.05 142.96,230.55 141.25,230.55 v1(140.75,230.05)
DDR1_DQ55: length 92.5
  TOP w0.173: U1.Y50 v1(138.75,230.05)
  ART10 w0.135: v1(138.75,230.05) 139.25,229.55 142.96,229.55 143.43,229.08 147.3,229.08 151.88,224.5 151.88,190.38 152.36,189.9 152.36,189.71 151.9,189.26 151.9,189.07 152.2,188.77 152.39,188.77 152.84,189.23 153.03,189.23 153.33,188.93 153.33,188.74 152.06,187.47 152.06,187.28 152.35,186.99 152.55,186.99 153.81,188.26 154,188.26 154.3,187.96 154.3,187.77 153.03,186.5 153.03,186.31 153.32,186.02 153.52,186.02 154.78,187.29 154.97,187.29 155.27,186.99 155.27,186.8 154.2,185.74 154.2,185.55 154.5,185.25 154.69,185.25 155.75,186.32 155.95,186.32 156.61,185.65 159.29,185.65 161.09,183.84 161.09,178.35 166.42,173.03 167.16,173.03 arc(167.65,173.12) 168.06,173.4 168.12,173.46 arc(168.58,173.77) 169.13,173.88 J2.269
DDR1_DQ56: length 90.9
  TOP w0.173: U1.AA52 v1(140.75,228.05)
  ART10 w0.135: v1(140.75,228.05) 141.22,228.52 146.52,228.52 150.93,224.11 150.93,180.74 154.98,176.7 159.17,176.7 159.55,176.31 159.74,176.31 160.5,177.07 160.69,177.07 160.99,176.78 160.99,176.59 160.23,175.83 160.23,175.64 160.52,175.34 160.71,175.34 161.47,176.1 161.66,176.1 161.96,175.81 161.96,175.62 161.2,174.86 161.2,174.67 161.49,174.37 161.68,174.37 162.44,175.13 162.63,175.13 162.93,174.84 162.93,174.65 162.17,173.89 162.17,173.7 162.46,173.4 162.65,173.4 163.41,174.16 163.61,174.16 163.9,173.87 163.9,173.68 163.14,172.92 163.14,172.73 163.43,172.43 163.62,172.43 164.38,173.19 164.58,173.19 164.87,172.9 164.87,172.71 164.11,171.95 164.11,171.76 164.54,171.33 167.18,171.33 arc(167.65,171.23) 168.05,170.97 168.58,170.44 arc(168.83,170.06) J2.130
DDR1_DQ57: length 91.7
  TOP w0.173: U1.AA51 v1(139.75,228.05)
  ART10 w0.135: J2.275 169.13,168.78 arc(168.58,168.88) 168.12,169.19 168.01,169.3 arc(167.65,169.54) 167.23,169.63 163.8,169.63 162.85,170.58 162.85,170.77 163.43,171.35 163.43,171.54 163.14,171.84 162.95,171.84 162.36,171.25 162.17,171.25 161.88,171.55 161.88,171.74 162.46,172.32 162.46,172.51 162.17,172.81 161.98,172.81 161.39,172.22 161.2,172.22 160.91,172.52 160.91,172.71 161.49,173.29 161.49,173.48 161.2,173.78 161.01,173.78 160.42,173.19 160.23,173.19 159.94,173.49 159.94,173.68 160.52,174.26 160.52,174.45 160.23,174.75 160.04,174.75 159.45,174.16 159.26,174.16 158.97,174.46 158.97,174.65 159.55,175.23 159.55,175.42 159.26,175.72 159.07,175.72 158.48,175.13 158.29,175.13 157.36,176.07 154.72,176.07 150.3,180.48 150.3,223.84 146.1,228.05 143.96,228.05 143.46,227.55 140.25,227.55 v1(139.75,228.05)
DDR1_DQ58: length 95.9
  TOP w0.173: U1.AD49 v1(137.75,225.05)
  ART12 w0.135: v1(137.75,225.05) 138.25,224.55 138.25,222.84 138.54,222.55 145.27,222.55 146.5,221.32 146.5,177.63 146.5,177.63 158.39,165.74 158.58,165.74 159.04,166.2 159.23,166.2 159.52,165.9 159.52,165.71 159.06,165.25 159.06,165.06 159.36,164.77 159.55,164.77 160.01,165.23 160.2,165.23 160.49,164.93 160.49,164.74 160.03,164.28 160.03,164.09 160.45,163.68 161.1,163.68 161.24,163.81 161.24,165.65 161.37,165.79 161.79,165.79 161.92,165.65 161.92,163.81 162.06,163.68 162.47,163.68 162.61,163.81 162.61,165.65 162.74,165.79 163.16,165.79 163.29,165.65 163.29,163.81 163.43,163.68 163.84,163.68 163.98,163.81 163.98,165.09 164.11,165.23 164.53,165.23 164.67,165.09 164.67,163.81 164.8,163.68 J2.137
DDR1_DQ59: length 93
  TOP w0.173: U1.AA49 v1(137.75,228.05)
  ART12 w0.135: v1(137.75,228.05) 138.25,227.55 138.97,227.55 139.25,227.27 139.25,223.84 139.54,223.55 145.16,223.55 147.13,221.58 147.13,177.89 158,167.02 163.92,167.02 164.28,166.66 164.47,166.66 164.85,167.04 165.04,167.04 165.33,166.75 165.33,166.55 164.95,166.17 164.95,165.98 165.25,165.69 165.44,165.69 165.95,166.2 166.14,166.2 166.43,165.9 166.43,165.71 165.92,165.2 165.92,165.01 166.41,164.52 167.11,164.52 arc(167.64,164.42) 168.1,164.11 168.18,164.04 arc(168.58,163.77) 169.05,163.68 169.08,163.68 arc(169.55,163.58) 169.95,163.31 170.02,163.24 arc(170.48,162.93) 171.03,162.83 J2.282
DDR1_DQ60: length 96.6
  TOP w0.173: U1.AB52 v1(140.75,227.05)
  ART12 w0.135: v1(140.75,227.05) 143.89,227.05 148.71,222.23 148.71,178.54 155.92,171.33 157.59,171.33 157.73,171.19 157.73,170.44 157.86,170.31 158.28,170.31 158.41,170.44 158.41,171.93 158.55,172.06 158.97,172.06 159.1,171.93 159.1,170.44 159.23,170.31 159.65,170.31 159.79,170.44 159.79,171.93 159.92,172.06 160.34,172.06 160.47,171.93 160.47,170.44 160.61,170.31 161.02,170.31 161.16,170.44 161.16,171.93 161.29,172.06 161.71,172.06 161.84,171.93 161.84,170.44 161.98,170.31 162.39,170.31 162.53,170.44 162.53,171.93 162.66,172.06 163.08,172.06 163.21,171.93 163.21,170.44 163.35,170.31 163.77,170.31 163.9,170.44 163.9,171.93 164.03,172.06 164.45,172.06 164.59,171.93 164.59,170.44 164.72,170.31 165.14,170.31 165.27,170.44 165.27,171.93 165.41,172.06 165.82,172.06 165.96,171.93 165.96,171.46 166.09,171.33 J2.128
DDR1_DQ61: length 97.8
  TOP w0.173: U1.AE52 v1(140.75,224.05)
  ART12 w0.135: v1(140.75,224.05) 141.25,224.55 143.46,224.55 143.94,224.07 145.98,224.07 148.08,221.97 148.08,178.28 156.73,169.63 158.41,169.63 158.54,169.49 158.54,168.1 158.68,167.97 159.09,167.97 159.23,168.1 159.23,169.49 159.36,169.63 159.78,169.63 159.92,169.49 159.92,168.1 160.05,167.97 160.47,167.97 160.6,168.1 160.6,169.49 160.74,169.63 161.15,169.63 161.29,169.49 161.29,168.1 161.42,167.97 161.84,167.97 161.97,168.1 161.97,169.49 162.11,169.63 162.52,169.63 162.66,169.49 162.66,168.1 162.79,167.97 163.21,167.97 163.34,168.1 163.34,169.49 163.48,169.63 163.9,169.63 164.03,169.49 164.03,168.1 164.16,167.97 164.58,167.97 164.72,168.1 164.72,169.49 164.85,169.63 165.27,169.63 165.4,169.49 165.4,168.1 165.54,167.97 165.95,167.97 166.09,168.1 166.09,169.49 166.22,169.63 167.1,169.63 arc(167.64,169.73) 168.1,170.04 168.12,170.06 arc(168.58,170.37) 169.13,170.48 J2.273
DDR1_DQ62: length 99
  TOP w0.173: U1.AD51 v1(139.75,225.05)
  ART10 w0.135: J2.135 167.07,165.13 160.91,165.13 153.79,172.25 153.6,172.25 152.48,171.13 152.29,171.13 151.99,171.43 151.99,171.62 153.11,172.74 153.11,172.93 152.82,173.22 152.63,173.22 151.51,172.1 151.32,172.1 151.02,172.4 151.02,172.59 152.14,173.71 152.14,173.9 151.85,174.19 151.66,174.19 150.53,173.07 150.34,173.07 150.05,173.37 150.05,173.56 151.17,174.68 151.17,174.87 150.88,175.16 150.69,175.16 149.56,174.04 149.37,174.04 149.08,174.34 149.08,174.53 150.2,175.65 150.2,175.84 149.91,176.14 149.72,176.14 148.59,175.01 148.4,175.01 148.11,175.31 148.11,175.5 149.23,176.62 149.23,176.81 148.94,177.11 148.75,177.11 147.62,175.98 147.43,175.98 147.14,176.28 147.14,176.47 148.26,177.59 148.26,177.78 146.95,179.09 146.95,222.45 145.28,224.12 143.39,224.12 142.96,224.55 140.25,224.55 v1(139.75,225.05)
DDR1_DQ63: length 99.9
  TOP w0.173: U1.AE50 v1(138.75,224.05)
  ART10 w0.135: J2.280 171.03,164.53 arc(170.48,164.63) 170.02,164.94 169.95,165.01 arc(169.55,165.28) 169.08,165.38 169.05,165.38 arc(168.58,165.28) 168.18,165.01 168.09,164.93 arc(167.62,164.61) 167.07,164.5 158.02,164.5 157.45,165.07 157.45,165.26 158.31,166.12 158.31,166.31 158.01,166.6 157.82,166.6 156.97,165.75 156.78,165.75 156.48,166.04 156.48,166.23 157.34,167.09 157.34,167.28 157.04,167.57 156.85,167.57 156,166.72 155.81,166.72 155.51,167.01 155.51,167.2 156.37,168.06 156.37,168.25 156.07,168.54 155.88,168.54 155.03,167.69 154.84,167.69 154.54,167.98 154.54,168.17 155.39,169.03 155.39,169.22 155.1,169.51 154.91,169.51 154.06,168.66 153.87,168.66 153.57,168.95 153.57,169.14 154.42,170 154.42,170.19 154.13,170.48 153.94,170.48 153.09,169.63 152.9,169.63 146.32,176.21 146.32,222.19 144.96,223.55 139.25,223.55 v1(138.75,224.05)
DDR1_DQS0_N: length 57.9
  TOP w0.109: U1.D46 134.06,245.55 133.64,245.96 133.64,250.26 133.62,250.28 133.62,250.38
  TOP w0.127: 133.62,250.38 133.62,252.75 141.59,260.72 142.92,260.72 160.76,278.55 167.26,278.55 arc(167.71,278.46) 168.08,278.21 168.27,278.03 arc(168.63,277.79) 169.05,277.7 169.08,277.7 arc(169.5,277.79) 169.86,278.02 169.97,278.13 arc(170.43,278.44) 170.98,278.55 171.6,278.55 arc(171.76,278.55) 171.93,278.53 J2.152
DDR1_DQS0_P: length 57.8
  TOP w0.109: U1.C46 134.25,246.04 134.14,245.93 133.98,245.93 133.86,246.05 133.86,246.81 133.92,246.87 133.98,246.93 133.98,247.17 133.92,247.23 133.86,247.29 133.86,247.81 133.92,247.87 133.98,247.93 133.98,248.17 133.92,248.23 133.86,248.29 133.86,250.35 133.88,250.37 133.88,250.38
  TOP w0.127: 133.88,250.38 133.88,252.64 141.7,260.46 143.03,260.46 160.86,278.3 167.21,278.3 arc(167.6,278.22) 167.94,277.99 168.09,277.85 arc(168.53,277.55) 169.05,277.45 169.08,277.45 arc(169.6,277.55) 170.04,277.85 170.15,277.95 arc(170.53,278.21) 170.98,278.3 171.49,278.3 arc(171.62,278.26) 171.71,278.16 171.74,278.11 arc(171.75,277.97) 171.67,277.87 J2.153
DDR1_DQS1_N: length 51.4
  TOP w0.109: U1.C51 139.25,246.04 139.14,245.93 138.97,245.93 138.86,246.05 138.86,246.8 138.92,246.87 138.98,246.93 138.98,247.17 138.92,247.23 138.86,247.3 138.86,247.8 138.92,247.87 138.98,247.93 138.98,248.17 138.92,248.23 138.86,248.3 138.86,249.09 138.88,249.11 138.88,249.14
  TOP w0.127: J2.163 171.74,268.74 arc(171.92,268.72) 172.05,268.83 172.08,268.89 arc(172.11,269.05) 172.03,269.2 171.74,269.5 arc(171.4,269.72) 171.01,269.8 170.95,269.8 arc(170.53,269.71) 170.17,269.47 170.01,269.31 arc(169.6,269.04) 169.12,268.95 169.1,268.95 arc(168.63,268.85) 168.23,268.59 168.1,268.46 arc(167.7,268.19) 167.23,268.1 166.41,268.1 163.16,264.85 163.16,258.39 159.41,254.64 144.11,254.64 138.88,249.41 138.88,249.14
DDR1_DQS1_P: length 51.5
  TOP w0.109: U1.D51 139.06,245.55 138.64,245.96 138.64,249.09 138.62,249.11 138.62,249.14
  TOP w0.127: 138.62,249.14 138.62,249.3 138.62,249.51 144.01,254.89 159.3,254.89 162.91,258.5 162.91,264.96 166.3,268.35 167.18,268.35 arc(167.6,268.44) 167.96,268.67 168.12,268.84 arc(168.52,269.11) 169,269.2 169.12,269.2 arc(169.5,269.28) 169.83,269.49 169.99,269.65 arc(170.43,269.95) 170.95,270.05 171.01,270.05 arc(171.5,269.95) 171.92,269.68 172.23,269.37 arc(172.35,269.22) 172.43,269.04 J2.164
DDR1_DQS2_N: length 50.1
  TOP w0.127: U1.E45 v1(132.75,245.05)
  ART10 w0.112: v1(132.75,245.05) 132.75,244.81 132.86,244.7 133.02,244.7 133.14,244.82 133.14,247.8 133.41,248.07 133.41,249.2 134.18,249.97 134.18,249.99 134.2,250.01
  ART10 w0.117: 134.2,250.01 138.31,254.11 160.58,254.11 166.31,259.85 167.15,259.85 arc(167.69,259.74) 168.15,259.43 168.26,259.32 arc(168.62,259.08) 169.05,259 169.08,259 arc(169.5,259.08) 169.86,259.32 169.97,259.43 arc(170.43,259.74) 170.98,259.85 171.61,259.85 arc(171.76,259.84) 171.91,259.83 J2.174
DDR1_DQS2_P: length 50.2
  TOP w0.127: U1.F45 v1(132.75,244.05)
  ART10 w0.112: v1(132.75,244.05) 132.75,244.36 132.86,244.47 133.11,244.47 133.36,244.72 133.36,247.7 133.63,247.97 133.63,249.11 134.34,249.81 134.36,249.81 134.37,249.83
  ART10 w0.117: J2.175 171.64,259.15 arc(171.74,259.28) 171.73,259.44 171.71,259.46 arc(171.62,259.57) 171.48,259.6 170.98,259.6 arc(170.53,259.51) 170.14,259.25 170.04,259.15 arc(169.6,258.86) 169.08,258.75 169.05,258.75 arc(168.53,258.86) 168.09,259.15 167.98,259.26 arc(167.6,259.51) 167.15,259.6 166.41,259.6 160.68,253.87 138.41,253.87 134.37,249.83
